# KiCad board Adafruit nRF52840 Bluefruit Feather Express Rev D.kicad_pcb
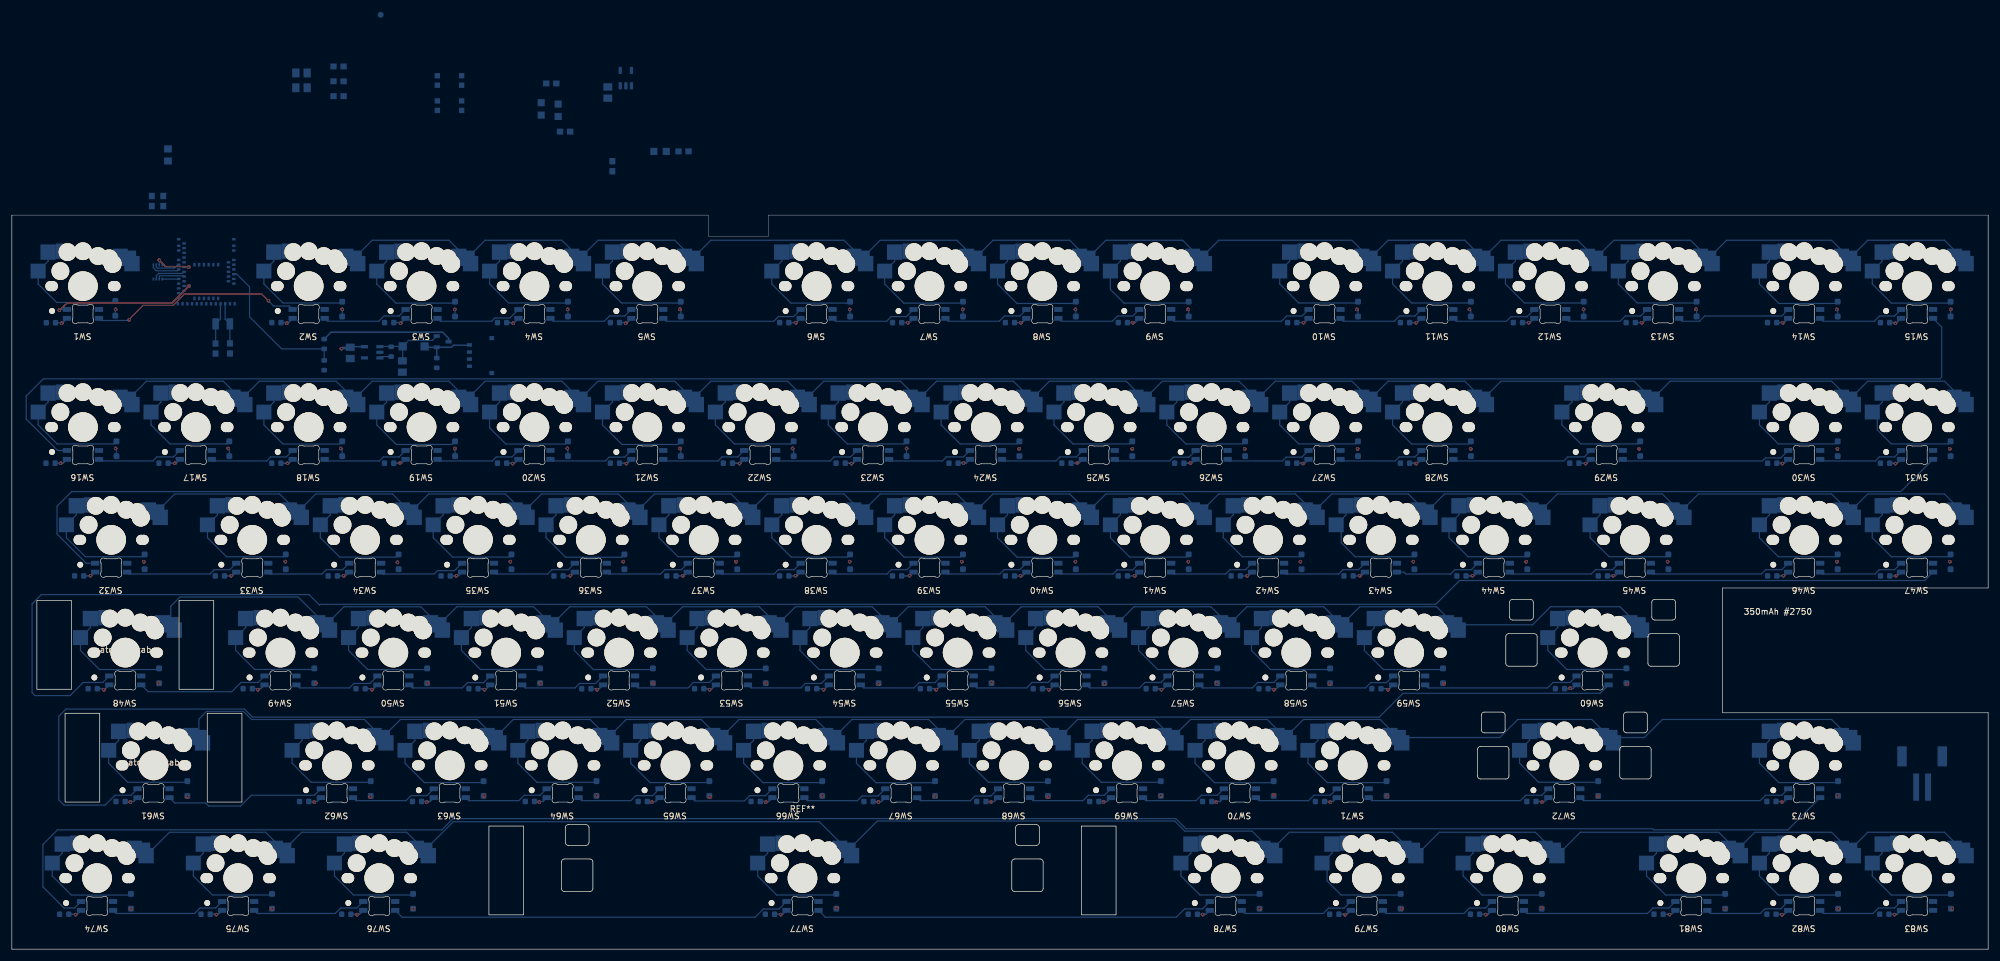
[diagram p0: board, top side]
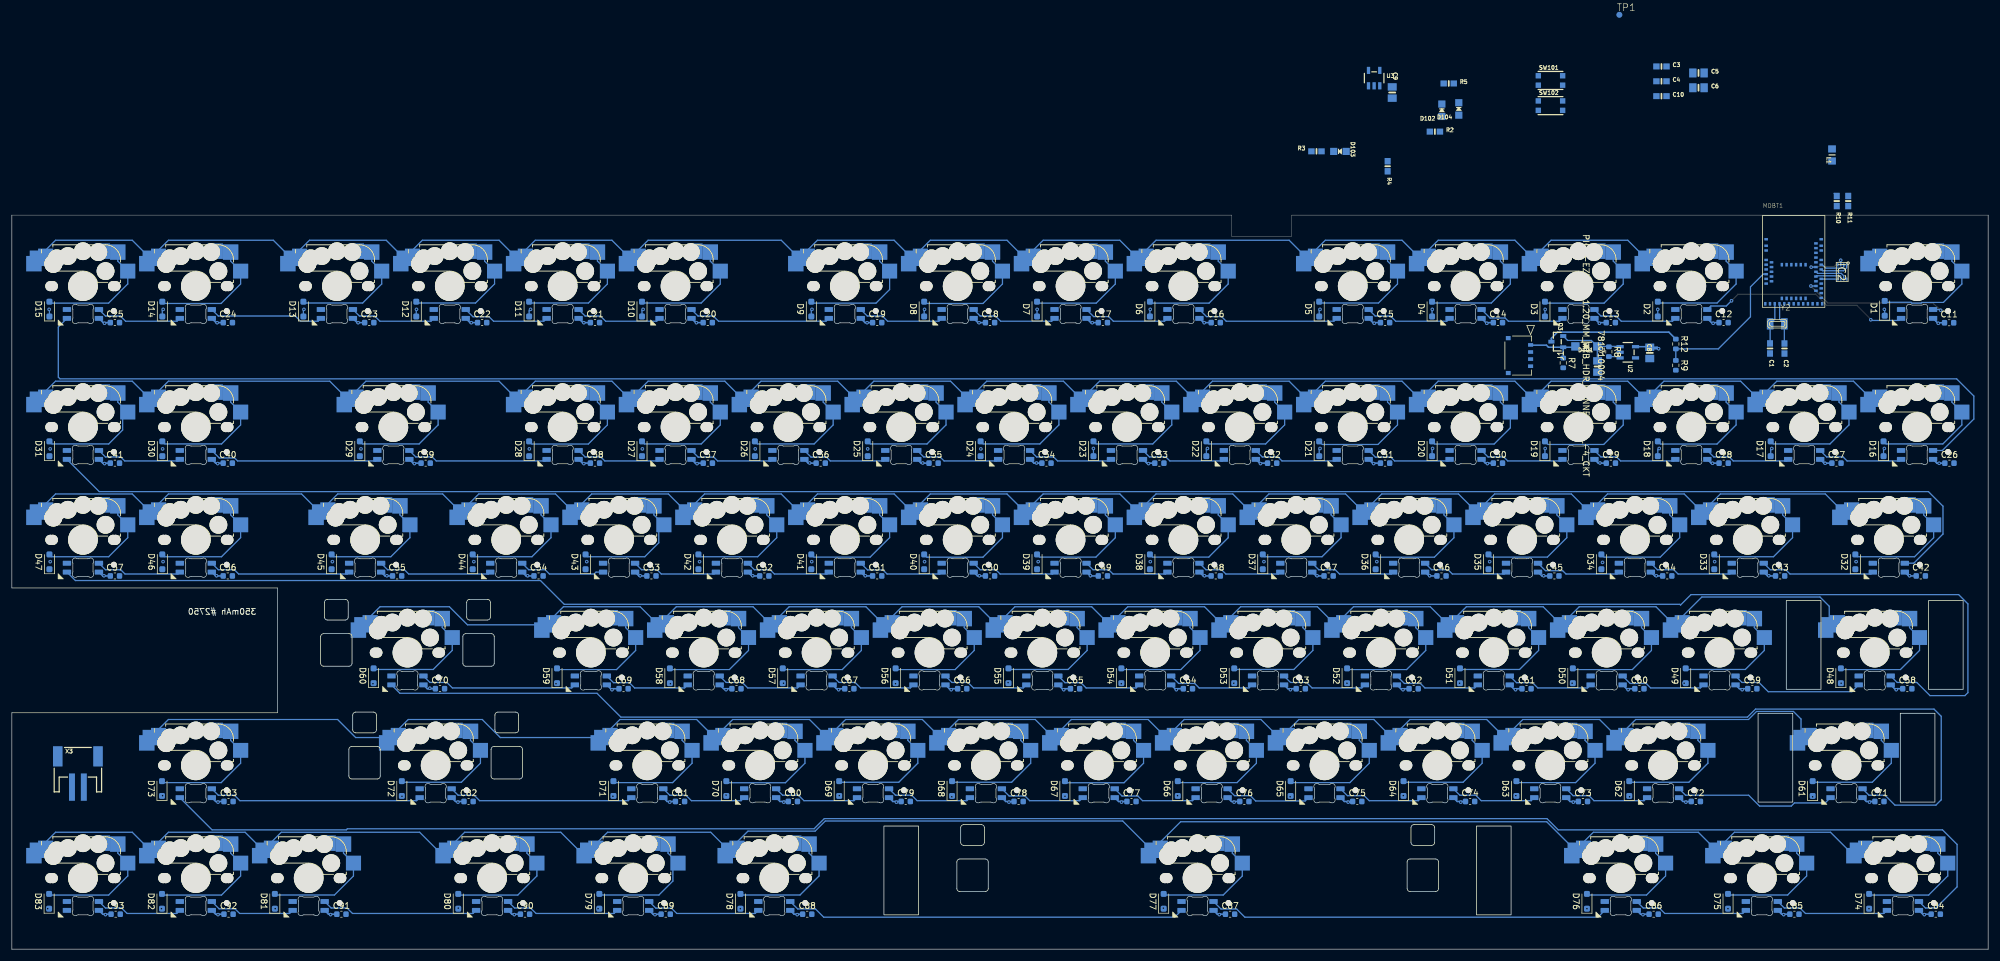
[diagram p1: board, bottom side, seen from below]

Outline 333.56 x 124.01 mm; copper layers: Top, In1.Cu, In2.Cu, Bottom. Coordinates in mm from the lower left corner of the outline.
Outline path: 0,0 0,124.01 117.54,124.01 117.54,120.46 127.7,120.46 127.7,124.01 333.56,124.01 333.56,61.02 288.73,61.02 288.73,39.94 333.56,39.94 333.56,0 0,0
Stack: Top 0.035mm / dielectric 0.1mm FR4 er 4.5 / In1.Cu 0.035mm / dielectric 0.84mm FR4 er 4.5 / In2.Cu 0.035mm / dielectric 0.1mm FR4 er 4.5 / Bottom 0.035mm

## Placement (name value [footprint] x y rotation side)
C1  22pF  [0603-NO]  36.82 101.49 270 bottom
C2  22pF  [0603-NO]  34.38 101.47 270 bottom
C3  0.1uF  [0603-NO]  55.14 149.13 180 bottom
C4  0.1uF  [0603-NO]  55.14 146.62 180 bottom
C5  10uF  [0805-NO]  48.89 148.03 180 bottom
C6  10uF  [0805-NO]  48.89 145.53 180 bottom
C7  10uF  [0805-NO]  65.92 98.44 90 bottom
C8  10uF  [0805-NO]  57.12 100.74 90 bottom
C9  10uF  [0805-NO]  100.59 144.72 90 bottom
C10  0.1uF  [0603-NO]  55.14 144.11 180 bottom
C11  C  [C_0603_1608Metric]  6.59 105.83 180 bottom
C12  C  [C_0603_1608Metric]  44.65 105.85 180 bottom
C13  C  [C_0603_1608Metric]  63.69 105.85 180 bottom
C14  C  [C_0603_1608Metric]  82.74 105.85 180 bottom
C15  C  [C_0603_1608Metric]  101.79 105.85 180 bottom
C16  C  [C_0603_1608Metric]  130.36 105.85 180 bottom
C17  C  [C_0603_1608Metric]  149.41 105.85 180 bottom
C18  C  [C_0603_1608Metric]  168.46 105.85 180 bottom
C19  C  [C_0603_1608Metric]  187.51 105.85 180 bottom
C20  C  [C_0603_1608Metric]  216.1 105.85 180 bottom
C21  C  [C_0603_1608Metric]  235.14 105.85 180 bottom
C22  C  [C_0603_1608Metric]  254.19 105.85 180 bottom
C23  C  [C_0603_1608Metric]  273.24 105.85 180 bottom
C24  C  [C_0603_1608Metric]  297.1 105.85 180 bottom
C25  C  [C_0603_1608Metric]  316.17 105.85 180 bottom
C26  C  [C_0603_1608Metric]  6.54 82.1 180 bottom
C27  C  [C_0603_1608Metric]  25.6 82.1 180 bottom
C28  C  [C_0603_1608Metric]  44.64 82.1 180 bottom
C29  C  [C_0603_1608Metric]  63.68 82.1 180 bottom
C30  C  [C_0603_1608Metric]  82.74 82.1 180 bottom
C31  C  [C_0603_1608Metric]  101.79 82.1 180 bottom
C32  C  [C_0603_1608Metric]  120.85 82.1 180 bottom
C33  C  [C_0603_1608Metric]  139.89 82.1 180 bottom
C34  C  [C_0603_1608Metric]  158.94 82.1 180 bottom
C35  C  [C_0603_1608Metric]  177.99 82.1 180 bottom
C36  C  [C_0603_1608Metric]  197.04 82.1 180 bottom
C37  C  [C_0603_1608Metric]  216.09 82.1 180 bottom
C38  C  [C_0603_1608Metric]  235.14 82.1 180 bottom
C39  C  [C_0603_1608Metric]  263.71 82.1 180 bottom
C40  C  [C_0603_1608Metric]  297.12 82.1 180 bottom
C41  C  [C_0603_1608Metric]  316.17 82.1 180 bottom
C42  C  [C_0603_1608Metric]  11.37 63.05 180 bottom
C43  C  [C_0603_1608Metric]  35.11 63.05 180 bottom
C44  C  [C_0603_1608Metric]  54.16 63.05 180 bottom
C45  C  [C_0603_1608Metric]  73.21 63.05 180 bottom
C46  C  [C_0603_1608Metric]  92.26 63.05 180 bottom
C47  C  [C_0603_1608Metric]  111.31 63.05 180 bottom
C48  C  [C_0603_1608Metric]  130.36 63.05 180 bottom
C49  C  [C_0603_1608Metric]  149.41 63.05 180 bottom
C50  C  [C_0603_1608Metric]  168.46 63.05 180 bottom
C51  C  [C_0603_1608Metric]  187.51 63.05 180 bottom
C52  C  [C_0603_1608Metric]  206.56 63.05 180 bottom
C53  C  [C_0603_1608Metric]  225.61 63.05 180 bottom
C54  C  [C_0603_1608Metric]  244.66 63.05 180 bottom
C55  C  [C_0603_1608Metric]  268.54 63.05 180 bottom
C56  C  [C_0603_1608Metric]  297.12 63.05 180 bottom
C57  C  [C_0603_1608Metric]  316.17 63.05 180 bottom
C58  C  [C_0603_1608Metric]  13.65 44 180 bottom
C59  C  [C_0603_1608Metric]  39.81 44 180 bottom
C60  C  [C_0603_1608Metric]  58.86 44 180 bottom
C61  C  [C_0603_1608Metric]  77.91 44 180 bottom
C62  C  [C_0603_1608Metric]  96.96 44 180 bottom
C63  C  [C_0603_1608Metric]  116.01 44 180 bottom
C64  C  [C_0603_1608Metric]  135.06 44 180 bottom
C65  C  [C_0603_1608Metric]  154.11 44 180 bottom
C66  C  [C_0603_1608Metric]  173.16 44 180 bottom
C67  C  [C_0603_1608Metric]  192.21 44 180 bottom
C68  C  [C_0603_1608Metric]  211.26 44 180 bottom
C69  C  [C_0603_1608Metric]  230.31 44 180 bottom
C70  C  [C_0603_1608Metric]  261.3 44 180 bottom
C71  C  [C_0603_1608Metric]  18.35 24.95 180 bottom
C72  C  [C_0603_1608Metric]  49.34 24.95 180 bottom
C73  C  [C_0603_1608Metric]  68.39 24.95 180 bottom
C74  C  [C_0603_1608Metric]  87.44 24.95 180 bottom
C75  C  [C_0603_1608Metric]  106.49 24.95 180 bottom
C76  C  [C_0603_1608Metric]  125.54 24.95 180 bottom
C77  C  [C_0603_1608Metric]  144.59 24.95 180 bottom
C78  C  [C_0603_1608Metric]  163.64 24.95 180 bottom
C79  C  [C_0603_1608Metric]  182.69 24.95 180 bottom
C80  C  [C_0603_1608Metric]  201.74 24.95 180 bottom
C81  C  [C_0603_1608Metric]  220.79 24.95 180 bottom
C82  C  [C_0603_1608Metric]  256.48 24.95 180 bottom
C83  C  [C_0603_1608Metric]  296.99 24.95 180 bottom
C84  C  [C_0603_1608Metric]  8.84 5.9 180 bottom
C85  C  [C_0603_1608Metric]  32.7 5.9 180 bottom
C86  C  [C_0603_1608Metric]  56.45 5.9 180 bottom
C87  C  [C_0603_1608Metric]  127.95 5.9 180 bottom
C88  C  [C_0603_1608Metric]  199.32 5.9 180 bottom
C89  C  [C_0603_1608Metric]  223.2 5.9 180 bottom
C90  C  [C_0603_1608Metric]  246.95 5.9 180 bottom
C91  C  [C_0603_1608Metric]  277.94 5.9 180 bottom
C92  C  [C_0603_1608Metric]  296.99 5.9 180 bottom
C93  C  [C_0603_1608Metric]  316.04 5.9 180 bottom
D1  D  [D_SOD-323_HandSoldering]  17.46 108.27 90 bottom
D2  D  [D_SOD-323_HandSoldering]  55.75 108.14 90 bottom
D3  D  [D_SOD-323_HandSoldering]  74.8 108.14 90 bottom
D4  D  [D_SOD-323_HandSoldering]  93.85 108.14 90 bottom
D5  D  [D_SOD-323_HandSoldering]  112.9 108.14 90 bottom
D6  D  [D_SOD-323_HandSoldering]  141.48 108.14 90 bottom
D7  D  [D_SOD-323_HandSoldering]  160.53 108.14 90 bottom
D8  D  [D_SOD-323_HandSoldering]  179.58 108.14 90 bottom
D9  D  [D_SOD-323_HandSoldering]  198.63 108.14 90 bottom
D10  D  [D_SOD-323_HandSoldering]  227.2 108.14 90 bottom
D11  D  [D_SOD-323_HandSoldering]  246.25 108.14 90 bottom
D12  D  [D_SOD-323_HandSoldering]  265.3 108.14 90 bottom
D13  D  [D_SOD-323_HandSoldering]  284.35 108.14 90 bottom
D14  D  [D_SOD-323_HandSoldering]  308.17 108.14 90 bottom
D15  D  [D_SOD-323_HandSoldering]  327.22 108.14 90 bottom
D16  D  [D_SOD-323_HandSoldering]  17.65 84.54 90 bottom
D17  D  [D_SOD-323_HandSoldering]  36.7 84.54 90 bottom
D18  D  [D_SOD-323_HandSoldering]  55.75 84.54 90 bottom
D19  D  [D_SOD-323_HandSoldering]  74.8 84.54 90 bottom
D20  D  [D_SOD-323_HandSoldering]  93.85 84.54 90 bottom
D21  D  [D_SOD-323_HandSoldering]  112.9 84.54 90 bottom
D22  D  [D_SOD-323_HandSoldering]  131.95 84.54 90 bottom
D23  D  [D_SOD-323_HandSoldering]  151 84.54 90 bottom
D24  D  [D_SOD-323_HandSoldering]  170.05 84.54 90 bottom
D25  D  [D_SOD-323_HandSoldering]  189.1 84.54 90 bottom
D26  D  [D_SOD-323_HandSoldering]  208.15 84.54 90 bottom
D27  D  [D_SOD-323_HandSoldering]  227.2 84.54 90 bottom
D28  D  [D_SOD-323_HandSoldering]  246.25 84.54 90 bottom
D29  D  [D_SOD-323_HandSoldering]  274.83 84.54 90 bottom
D30  D  [D_SOD-323_HandSoldering]  308.17 84.54 90 bottom
D31  D  [D_SOD-323_HandSoldering]  327.22 84.54 90 bottom
D32  D  [D_SOD-323_HandSoldering]  22.42 65.44 90 bottom
D33  D  [D_SOD-323_HandSoldering]  46.23 65.44 90 bottom
D34  D  [D_SOD-323_HandSoldering]  65.28 65.44 90 bottom
D35  D  [D_SOD-323_HandSoldering]  84.33 65.44 90 bottom
D36  D  [D_SOD-323_HandSoldering]  103.38 65.44 90 bottom
D37  D  [D_SOD-323_HandSoldering]  122.43 65.44 90 bottom
D38  D  [D_SOD-323_HandSoldering]  141.48 65.44 90 bottom
D39  D  [D_SOD-323_HandSoldering]  160.53 65.44 90 bottom
D40  D  [D_SOD-323_HandSoldering]  179.58 65.44 90 bottom
D41  D  [D_SOD-323_HandSoldering]  198.63 65.44 90 bottom
D42  D  [D_SOD-323_HandSoldering]  217.68 65.44 90 bottom
D43  D  [D_SOD-323_HandSoldering]  236.73 65.44 90 bottom
D44  D  [D_SOD-323_HandSoldering]  255.78 65.44 90 bottom
D45  D  [D_SOD-323_HandSoldering]  279.59 65.44 90 bottom
D46  D  [D_SOD-323_HandSoldering]  308.17 65.44 90 bottom
D47  D  [D_SOD-323_HandSoldering]  327.22 65.44 90 bottom
D48  D  [D_SOD-323_HandSoldering]  24.85 46.19 90 bottom
D49  D  [D_SOD-323_HandSoldering]  51.05 46.19 90 bottom
D50  D  [D_SOD-323_HandSoldering]  70.1 46.19 90 bottom
D51  D  [D_SOD-323_HandSoldering]  89.15 46.19 90 bottom
D52  D  [D_SOD-323_HandSoldering]  108.2 46.19 90 bottom
D53  D  [D_SOD-323_HandSoldering]  127.25 46.19 90 bottom
D54  D  [D_SOD-323_HandSoldering]  146.3 46.19 90 bottom
D55  D  [D_SOD-323_HandSoldering]  165.35 46.19 90 bottom
D56  D  [D_SOD-323_HandSoldering]  184.4 46.19 90 bottom
D57  D  [D_SOD-323_HandSoldering]  203.45 46.19 90 bottom
D58  D  [D_SOD-323_HandSoldering]  222.5 46.19 90 bottom
D59  D  [D_SOD-323_HandSoldering]  241.55 46.19 90 bottom
D60  D  [D_SOD-323_HandSoldering]  272.5 46.19 90 bottom
D61  D  [D_SOD-323_HandSoldering]  29.62 27.14 90 bottom
D62  D  [D_SOD-323_HandSoldering]  60.57 27.14 90 bottom
D63  D  [D_SOD-323_HandSoldering]  79.62 27.14 90 bottom
D64  D  [D_SOD-323_HandSoldering]  98.67 27.14 90 bottom
D65  D  [D_SOD-323_HandSoldering]  117.72 27.14 90 bottom
D66  D  [D_SOD-323_HandSoldering]  136.77 27.14 90 bottom
D67  D  [D_SOD-323_HandSoldering]  155.82 27.14 90 bottom
D68  D  [D_SOD-323_HandSoldering]  174.87 27.14 90 bottom
D69  D  [D_SOD-323_HandSoldering]  193.92 27.14 90 bottom
D70  D  [D_SOD-323_HandSoldering]  212.97 27.14 90 bottom
D71  D  [D_SOD-323_HandSoldering]  232.02 27.14 90 bottom
D72  D  [D_SOD-323_HandSoldering]  267.74 27.14 90 bottom
D73  D  [D_SOD-323_HandSoldering]  308.22 27.14 90 bottom
D74  D  [D_SOD-323_HandSoldering]  20.09 8.09 90 bottom
D75  D  [D_SOD-323_HandSoldering]  43.9 8.09 90 bottom
D76  D  [D_SOD-323_HandSoldering]  67.72 8.09 90 bottom
D77  D  [D_SOD-323_HandSoldering]  139.15 8.09 90 bottom
D78  D  [D_SOD-323_HandSoldering]  210.59 8.09 90 bottom
D79  D  [D_SOD-323_HandSoldering]  234.4 8.09 90 bottom
D80  D  [D_SOD-323_HandSoldering]  258.22 8.09 90 bottom
D81  D  [D_SOD-323_HandSoldering]  289.17 8.09 90 bottom
D82  D  [D_SOD-323_HandSoldering]  308.22 8.09 90 bottom
D83  D  [D_SOD-323_HandSoldering]  327.27 8.09 90 bottom
D101  MBR120  [SOD-123]  67.82 101.84 0 bottom
D102  RED  [CHIPLED_0805_NOOUTLINE]  92.21 141.72 180 bottom
D103  ORANGE  [CHIPLED_0805_NOOUTLINE]  109.4 134.77 90 bottom
D104  BLUE  [CHIPLED_0805_NOOUTLINE]  89.34 141.95 180 bottom
gateron_stabs  -  [gateron-ks57-2U]  19.14 50.1 0 top
gateron_stabs#2  -  [gateron-ks57-2U]  23.91 31.05 0 top
IC2  GD25Q16  [USON8]  24.64 114.41 270 bottom
J1  781710004  [CON_781710004]  77.23 102.08 270 bottom
L1  DNP  [_0805MP]  26.35 134.17 90 bottom
MDBT1  -  [MDBT50]  32.82 116.19 180 bottom
Q3  DMG2305  [SOT23-R]  72.72 102.64 90 bottom
R2  1K  [0603-NO]  93.38 138.12 180 bottom
R3  1K  [0603-NO]  113.37 134.79 0 bottom
R4  4.7K  [0603-NO]  101.35 132.27 270 bottom
R5  1K  [0603-NO]  91.04 146.25 180 bottom
R7  100k  [R_0603_1608Metric]  71.72 99.04 270 bottom
R8  100k  [R_0603_1608Metric]  64.02 100.94 270 bottom
R9  100k  [R_0603_1608Metric]  52.72 98.64 270 bottom
R10  22  [0603-NO]  25.55 126.39 270 bottom
R11  22  [0603-NO]  23.62 126.39 270 bottom
R12  100k  [R_0603_1608Metric]  52.72 102.24 270 bottom
REF**  -  [STAB_choc_6.25u]  133.42 12.04 0 top
REF**#2  -  [STAB_choc_2u]  262.03 31.05 0 top
REF**#3  -  [STAB_choc_2u]  266.79 50.1 0 top
REF**#4  -  [gateron-ks27-6-25U]  133.44 12 0 top
SW1  ~  [gateron-ks27-choc-v1-mx-hotswap]  12 112.01 180 top
SW2  ~  [gateron-ks27-choc-v1-mx-hotswap]  50.1 112.01 180 top
SW3  ~  [gateron-ks27-choc-v1-mx-hotswap]  69.15 112.01 180 top
SW4  ~  [gateron-ks27-choc-v1-mx-hotswap]  88.2 112.01 180 top
SW5  ~  [gateron-ks27-choc-v1-mx-hotswap]  107.25 112.01 180 top
SW6  ~  [gateron-ks27-choc-v1-mx-hotswap]  135.82 112.01 180 top
SW7  ~  [gateron-ks27-choc-v1-mx-hotswap]  154.88 112.01 180 top
SW8  ~  [gateron-ks27-choc-v1-mx-hotswap]  173.92 112.01 180 top
SW9  ~  [gateron-ks27-choc-v1-mx-hotswap]  192.97 112.01 180 top
SW10  ~  [gateron-ks27-choc-v1-mx-hotswap]  221.55 112.01 180 top
SW11  ~  [gateron-ks27-choc-v1-mx-hotswap]  240.6 112.01 180 top
SW12  ~  [gateron-ks27-choc-v1-mx-hotswap]  259.65 112.01 180 top
SW13  ~  [gateron-ks27-choc-v1-mx-hotswap]  278.7 112.01 180 top
SW14  ~  [gateron-ks27-choc-v1-mx-hotswap]  302.51 112.01 180 top
SW15  ~  [gateron-ks27-choc-v1-mx-hotswap]  321.56 112.01 180 top
SW16  ~  [gateron-ks27-choc-v1-mx-hotswap]  12 88.2 180 top
SW17  ~  [gateron-ks27-choc-v1-mx-hotswap]  31.05 88.2 180 top
SW18  ~  [gateron-ks27-choc-v1-mx-hotswap]  50.1 88.2 180 top
SW19  ~  [gateron-ks27-choc-v1-mx-hotswap]  69.15 88.2 180 top
SW20  ~  [gateron-ks27-choc-v1-mx-hotswap]  88.2 88.2 180 top
SW21  ~  [gateron-ks27-choc-v1-mx-hotswap]  107.25 88.2 180 top
SW22  ~  [gateron-ks27-choc-v1-mx-hotswap]  126.3 88.2 180 top
SW23  ~  [gateron-ks27-choc-v1-mx-hotswap]  145.35 88.2 180 top
SW24  ~  [gateron-ks27-choc-v1-mx-hotswap]  164.4 88.2 180 top
SW25  ~  [gateron-ks27-choc-v1-mx-hotswap]  183.45 88.2 180 top
SW26  ~  [gateron-ks27-choc-v1-mx-hotswap]  202.5 88.2 180 top
SW27  ~  [gateron-ks27-choc-v1-mx-hotswap]  221.55 88.2 180 top
SW28  ~  [gateron-ks27-choc-v1-mx-hotswap]  240.6 88.2 180 top
SW29  ~  [gateron-ks27-choc-v1-mx-hotswap]  269.18 88.2 180 top
SW30  ~  [gateron-ks27-choc-v1-mx-hotswap]  302.51 88.2 180 top
SW31  ~  [gateron-ks27-choc-v1-mx-hotswap]  321.56 88.2 180 top
SW32  ~  [gateron-ks27-choc-v1-mx-hotswap]  16.76 69.15 180 top
SW33  ~  [gateron-ks27-choc-v1-mx-hotswap]  40.58 69.15 180 top
SW34  ~  [gateron-ks27-choc-v1-mx-hotswap]  59.63 69.15 180 top
SW35  ~  [gateron-ks27-choc-v1-mx-hotswap]  78.68 69.15 180 top
SW36  ~  [gateron-ks27-choc-v1-mx-hotswap]  97.72 69.15 180 top
SW37  ~  [gateron-ks27-choc-v1-mx-hotswap]  116.78 69.15 180 top
SW38  ~  [gateron-ks27-choc-v1-mx-hotswap]  135.82 69.15 180 top
SW39  ~  [gateron-ks27-choc-v1-mx-hotswap]  154.88 69.15 180 top
SW40  ~  [gateron-ks27-choc-v1-mx-hotswap]  173.92 69.15 180 top
SW41  ~  [gateron-ks27-choc-v1-mx-hotswap]  192.97 69.15 180 top
SW42  ~  [gateron-ks27-choc-v1-mx-hotswap]  212.03 69.15 180 top
SW43  ~  [gateron-ks27-choc-v1-mx-hotswap]  231.07 69.15 180 top
SW44  ~  [gateron-ks27-choc-v1-mx-hotswap]  250.12 69.15 180 top
SW45  ~  [gateron-ks27-choc-v1-mx-hotswap]  273.94 69.15 180 top
SW46  ~  [gateron-ks27-choc-v1-mx-hotswap]  302.51 69.15 180 top
SW47  ~  [gateron-ks27-choc-v1-mx-hotswap]  321.56 69.15 180 top
SW48  ~  [gateron-ks27-choc-v1-mx-hotswap]  19.14 50.1 180 top
SW49  ~  [gateron-ks27-choc-v1-mx-hotswap]  45.34 50.1 180 top
SW50  ~  [gateron-ks27-choc-v1-mx-hotswap]  64.39 50.1 180 top
SW51  ~  [gateron-ks27-choc-v1-mx-hotswap]  83.44 50.1 180 top
SW52  ~  [gateron-ks27-choc-v1-mx-hotswap]  102.49 50.1 180 top
SW53  ~  [gateron-ks27-choc-v1-mx-hotswap]  121.54 50.1 180 top
SW54  ~  [gateron-ks27-choc-v1-mx-hotswap]  140.59 50.1 180 top
SW55  ~  [gateron-ks27-choc-v1-mx-hotswap]  159.64 50.1 180 top
SW56  ~  [gateron-ks27-choc-v1-mx-hotswap]  178.69 50.1 180 top
SW57  ~  [gateron-ks27-choc-v1-mx-hotswap]  197.74 50.1 180 top
SW58  ~  [gateron-ks27-choc-v1-mx-hotswap]  216.79 50.1 180 top
SW59  ~  [gateron-ks27-choc-v1-mx-hotswap]  235.84 50.1 180 top
SW60  ~  [gateron-ks27-choc-v1-mx-hotswap]  266.79 50.1 180 top
SW61  ~  [gateron-ks27-choc-v1-mx-hotswap]  23.91 31.05 180 top
SW62  ~  [gateron-ks27-choc-v1-mx-hotswap]  54.86 31.05 180 top
SW63  ~  [gateron-ks27-choc-v1-mx-hotswap]  73.91 31.05 180 top
SW64  ~  [gateron-ks27-choc-v1-mx-hotswap]  92.96 31.05 180 top
SW65  ~  [gateron-ks27-choc-v1-mx-hotswap]  112.01 31.05 180 top
SW66  ~  [gateron-ks27-choc-v1-mx-hotswap]  131.06 31.05 180 top
SW67  ~  [gateron-ks27-choc-v1-mx-hotswap]  150.11 31.05 180 top
SW68  ~  [gateron-ks27-choc-v1-mx-hotswap]  169.16 31.05 180 top
SW69  ~  [gateron-ks27-choc-v1-mx-hotswap]  188.21 31.05 180 top
SW70  ~  [gateron-ks27-choc-v1-mx-hotswap]  207.26 31.05 180 top
SW71  ~  [gateron-ks27-choc-v1-mx-hotswap]  226.31 31.05 180 top
SW72  ~  [gateron-ks27-choc-v1-mx-hotswap]  262.03 31.05 180 top
SW73  ~  [gateron-ks27-choc-v1-mx-hotswap]  302.51 31.05 180 top
SW74  ~  [gateron-ks27-choc-v1-mx-hotswap]  14.38 12 180 top
SW75  ~  [gateron-ks27-choc-v1-mx-hotswap]  38.19 12 180 top
SW76  ~  [gateron-ks27-choc-v1-mx-hotswap]  62.01 12 180 top
SW77  ~  [gateron-ks27-choc-v1-mx-hotswap]  133.44 12 180 top
SW78  ~  [gateron-ks27-choc-v1-mx-hotswap]  204.88 12 180 top
SW79  ~  [gateron-ks27-choc-v1-mx-hotswap]  228.69 12 180 top
SW80  ~  [gateron-ks27-choc-v1-mx-hotswap]  252.51 12 180 top
SW81  ~  [gateron-ks27-choc-v1-mx-hotswap]  283.46 12 180 top
SW82  ~  [gateron-ks27-choc-v1-mx-hotswap]  302.51 12 180 top
SW83  ~  [gateron-ks27-choc-v1-mx-hotswap]  321.56 12 180 top
SW101  KMR2  [BTN_KMR2_4.6X2.8]  73.87 146.76 180 bottom
SW102  KMR2  [BTN_KMR2_4.6X2.8]  73.87 142.5 180 bottom
TP1  TPTP10R  [TP10R]  62.24 157.85 180 bottom
U2  AP2112(3.3V)  [SOT23-5]  60.82 100.84 270 bottom
U3  MCP73831T-2ACI/OT  [SOT23-5]  103.63 147.16 180 bottom
X3  JSTPH  [JSTPH2]  322.42 31.07 180 bottom
Y2  32.768  [XTAL3215]  35.6 105.64 0 bottom

## Library data of the parts
C11-C93 = -: Description: Unpolarized capacitor
D1-D83 = -: Description: Diode; Sim.Pins: 1=K 2=A
R7-R9 R12 = -: Description: Resistor

## Footprints (pads in the part's own frame, mm; a bottom-side part is the same pattern mirrored in y, then rotated)
0603-NO
  rect 1.075x1 smd: 1(-0.85,0) 2(0.85,0)
0805-NO
  rect 1.24x1.5 smd: 1(-0.95,0) 2(0.95,0)
_0805MP
  rect 1.2x1.3 smd: 1(-1.016,0) 2(1.016,0)
BTN_KMR2_4.6X2.8
  rect 0.9x0.9 smd: A(2.05,0.8) A'(-2.05,0.8) B(2.05,-0.8) B'(-2.05,-0.8)
C_0603_1608Metric
  rrect 0.9x0.95 smd: 1(-0.775,0) 2(0.775,0)
CHIPLED_0805_NOOUTLINE
  rect 1.2x1.2 smd: A(0,-1.05) C(0,1.05)
CON_781710004
  rect 0.6x0.85 smd: 1(0,0) 2(1.2,0) 3(2.4,0) 4(3.6,0)
  rect 0.7x0.8 smd: 5(-1.15,-3.775) 6(4.75,-3.775)
D_SOD-323_HandSoldering
  rrect 1x1 smd: 1(-1.25,0) 2(1.25,0)
gateron-ks27-6-25U
  round 1 hole 1 unplated: (0,0)
gateron-ks27-choc-v1-mx-hotswap
  round 1.702 hole 1.702 unplated: (-5.5,0) (-5.08,0) (5.08,0) (5.5,0)
  round 3 hole 3 unplated: (-5,-3.75) (-5,-3.8) (-4.4,-4.7) (-2.54,-5.08) (0,-5.9) (2.6,-5.75) (3.81,-2.54)
  round 5 hole 5 unplated: (0,0)
  round 0.991 hole 0.991 unplated: (5.22,4.2)
  rect 2.6x2.6 smd far side: 1(-8.275,-3.8) 1(-7.675,-4.7) 2(3.275,-5.9) 2(5.875,-5.75)
  rect 2.55x2.5 smd far side: 1(-6.29,-5.08) 2(7.56,-2.54)
  rrect 1.4x0.82 smd far side: 3(2.7,3.949) 4(2.7,5.449) 5(-2.7,5.449) 6(-2.7,3.949)
gateron-ks57-2U
  round 1 hole 1 unplated: (0,0)
JSTPH2
  rect 1x4.6 smd: 1(-1,-3.7) 2(1,-3.7)
  rect 1.6x3.4 smd: NC1(-3.4,1.5) NC2(3.4,1.5)
MDBT50
  rect 0.6x0.4 smd: 1(-4.65,3.75) 2(-4.65,2.65) 3(-4.65,1.85) 4(-4.65,0.25) 5(-3.75,-0.15) 6(-4.65,-0.55) 7(-3.75,-0.95) 8(-4.65,-1.35) 9(-3.75,-1.75) 10(-4.65,-2.15) 11(-3.75,-2.55) 12(-4.65,-2.95) 13(-3.75,-3.35) 14(-4.65,-3.75) 34(4.65,-6.15) 35(4.65,-5.35) 36(3.75,-4.95) 37(4.65,-4.55) 38(3.75,-4.15) 39(4.65,-3.75) 40(3.75,-3.35) 41(4.65,-2.95) 42(3.75,-2.55) 43(3.75,-1.75) 44(4.65,-1.35) 45(3.75,-0.95) 46(4.65,-0.55) 47(3.75,-0.15) 48(4.65,0.25) 49(3.75,0.65) 50(3.75,1.45) 51(4.65,1.85) 52(3.75,2.25) 53(4.65,2.65) 54(3.75,3.05) 55(4.65,3.75)
  rect 0.4x0.6 smd: 15(-4.8,-7.15) 16(-4,-7.15) 17(-3.2,-7.15) 18(-2.4,-7.15) 19(-2,-6.25) 20(-1.6,-7.15) 21(-1.2,-6.25) 22(-0.8,-7.15) 23(-0.4,-6.25) 24(0,-7.15) 25(0.4,-6.25) 26(0.8,-7.15) 27(1.2,-6.25) 28(1.6,-7.15) 29(2,-6.25) 30(2.4,-7.15) 31(3.2,-7.15) 32(4,-7.15) 33(4.8,-7.15) 56(-2,-0.55) 57(-1.2,-0.55) 58(-0.4,-0.55) 59(0.4,-0.55) 60(1.2,-0.55) 61(2,-0.55)
R_0603_1608Metric
  rrect 0.8x0.95 smd: 1(-0.825,0) 2(0.825,0)
SOD-123
  rect 1.4x1.4 smd: A(1.85,0) C(-1.85,0)
SOT23-5
  rect 0.55x1.2 smd: 1(-0.95,-1.3) 2(0,-1.3) 3(0.95,-1.3) 4(0.95,1.3) 5(-0.95,1.3)
SOT23-R
  rect 0.635x1.016 smd: 1(-0.95,-1) 2(0.95,-1) 3(0,1)
TP10R
  rrect 1x1 smd: TP(0,0)
USON8
  rect 0.5x0.275 smd: 1(-1.2,0.75) 2(-1.2,0.25) 3(-1.2,-0.25) 4(-1.2,-0.75) 5(1.2,-0.75) 6(1.2,-0.25) 7(1.2,0.25) 8(1.2,0.75)
XTAL3215
  rect 1.1x1.9 smd: P$1(1.2,0) P$2(-1.2,0)
